# KiCad board LivSynth_Hardware.kicad_pcb (continued)
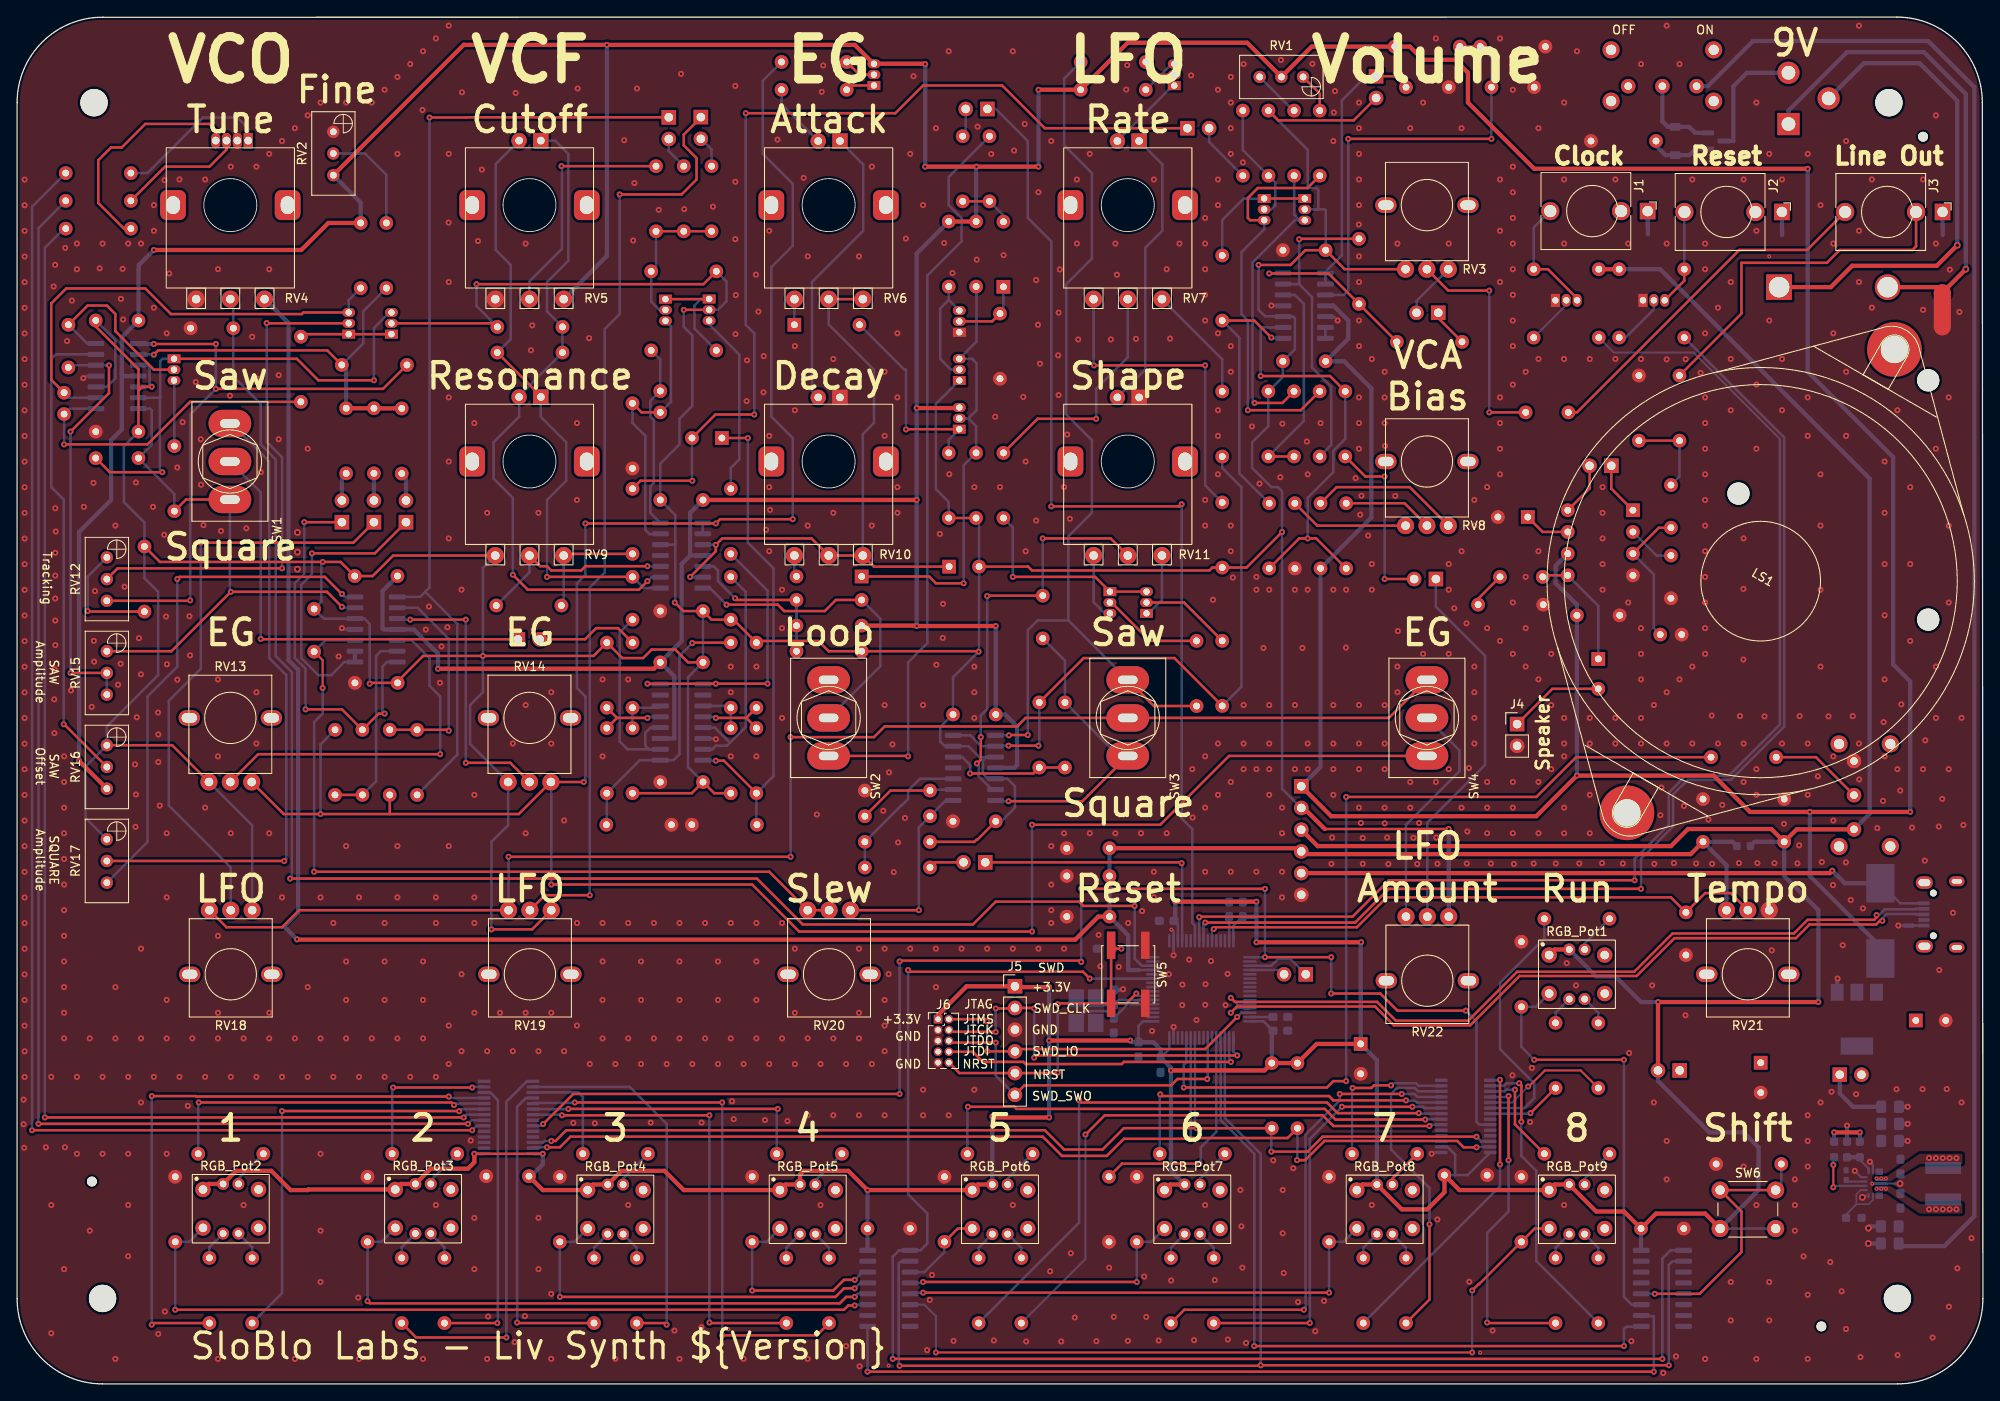
[diagram p0: board, top side]
## Nets (continued)
Net-(Q10-Pad3): Q10.3 Q13.2 R21.2
Net-(Q11-Pad1): Q11.1 Q12.1 R36.1
Net-(Q12-Pad2): Q12.2 RV12.2
Net-(Q14-Pad3): Q14.3 R48.1
Net-(Q16-Pad1): Q16.1 RV11.3
Net-(Q16-Pad2): Q16.2 R62.1
Net-(Q16-Pad3): Q16.3 Q17.1 R50.2
Net-(Q17-Pad2): Q17.2 R63.1
Net-(Q17-Pad3): Q17.3 RV11.1
Net-(R7-Pad1): R7.1 RV1.1
Net-(R9-Pad1): R9.1 RV1.3
Net-(R12-Pad2): R12.2 SW2.1
Net-(R19-Pad1): R19.1 RV5.2
Net-(R22-Pad1): R22.1 RV2.2
Net-(R22-Pad2): R22.2 R37.2 R38.2 R39.2 TH1.1 U2.2
Net-(R26-Pad1): R26.1 R35.1 U1.14
Net-(R26-Pad2): R26.2 R45.2 U1.13
Net-(R28-Pad2): R28.2 R59.2 U1.8
Net-(R42-Pad1): R42.1 R62.2 R72.2 U6.2 U6.14
Net-(R42-Pad2): R42.2 RV7.3
Net-(R44-Pad2): R44.2 R56.2 R59.1 U1.9
Net-(R46-Pad2): R46.2 R47.2 U1.12
Net-(R50-Pad1): R50.1 RV7.2
Net-(R52-Pad1): R52.1 U7.1 U7.16
Net-(R53-Pad2): R53.2 R55.1 RV9.3
Net-(R54-Pad1): R54.1 RV7.1
Net-(R55-Pad2): R55.2 RV9.2 U5.10
Net-(R56-Pad1): R56.1 RV8.2
Net-(R57-Pad2): R57.2 RV8.3
Net-(R58-Pad1): R58.1 RV8.1
Net-(R60-Pad1): R60.1 R64.1 R66.2 U5.5
Net-(R60-Pad2): R60.2 SW2.2 U5.7
Net-(R65-Pad1): R65.1 RV12.1
Net-(R67-Pad1): R67.1 R74.1 U7.4
Net-(R68-Pad1): R68.1 R77.2 R86.2 U7.9
Net-(R68-Pad2): R68.2 R75.2 U7.3
Net-(R69-Pad2): R69.2 R76.2 U7.14
Net-(R70-Pad1): R70.1 R77.1 U7.13
Net-(R71-Pad2): R71.2 R72.1 U6.12
Net-(R78-Pad1): R78.1 R79.2 U4.2
Net-(R80-Pad1): R80.1 R81.2 U4.6
Net-(R82-Pad2): R82.2 R83.1 U6.9
Net-(R83-Pad2): R83.2 RV20.1 U6.8
Net-(R84-Pad2): R84.2 R87.2 U6.10
Net-(R88-Pad1): R88.1 RGB_Pot1.6
Net-(R90-Pad1): R90.1 RGB_Pot1.7
Net-(R91-Pad2): R91.2 RGB_Pot1.8
Net-(R97-Pad1): R97.1 RGB_Pot7.6
Net-(R98-Pad1): R98.1 RGB_Pot6.6
Net-(R99-Pad1): R99.1 RGB_Pot5.6
Net-(R100-Pad1): R100.1 RGB_Pot4.6
Net-(R101-Pad1): R101.1 RGB_Pot9.6
Net-(R102-Pad1): R102.1 RGB_Pot8.6
Net-(R103-Pad1): R103.1 RGB_Pot3.6
Net-(R104-Pad1): R104.1 RGB_Pot2.6
Net-(R115-Pad2): R115.2 U12.1 U12.14
Net-(R116-Pad1): R116.1 RGB_Pot9.7
Net-(R117-Pad2): R117.2 RGB_Pot9.8
Net-(R118-Pad1): R118.1 RGB_Pot8.7
Net-(R119-Pad2): R119.2 RGB_Pot8.8
Net-(R120-Pad1): R120.1 RGB_Pot7.7
Net-(R121-Pad2): R121.2 RGB_Pot7.8
Net-(R122-Pad1): R122.1 RGB_Pot3.7
Net-(R123-Pad2): R123.2 RGB_Pot3.8
Net-(R124-Pad1): R124.1 RGB_Pot2.7
Net-(R125-Pad2): R125.2 RGB_Pot2.8
Net-(R126-Pad1): R126.1 RGB_Pot6.7
Net-(R127-Pad2): R127.2 RGB_Pot6.8
Net-(R128-Pad1): R128.1 RGB_Pot5.7
Net-(R129-Pad2): R129.2 RGB_Pot5.8
Net-(R130-Pad1): R130.1 RGB_Pot4.7
Net-(R131-Pad2): R131.2 RGB_Pot4.8
Net-(RV12-Pad3): RV12.3 TH1.2 U2.1
Net-(RV13-Pad2): RV13.2 U4.5
Net-(RV14-Pad2): RV14.2 U4.3
Net-(RV16-Pad2): RV16.2 U2.13
Net-(RV17-Pad3): RV17.3 U4.14
Net-(RV18-Pad3): RV18.3 RV19.3 SW3.2 SW4.3
Net-(RV22-Pad3): RV22.3 SW4.2
Net-(U1-Pad6): U1.6 U1.7
Net-(U13-Pad10): U13.10 U14.9

Pads without a net: J1 2; J2 2; J6 7; J21 4 6; RGB_Pot1 2 4; RGB_Pot2 2 4; RGB_Pot3 2 4; RGB_Pot4 2 4; RGB_Pot5 2 4; RGB_Pot6 2 4; RGB_Pot7 2 4; RGB_Pot8 2 4; RGB_Pot9 2 4; RV3 4 5; RV4 4 5; RV5 4 5; RV6 4 5; RV7 4 5; RV8 4 5; RV9 4 5; RV10 4 5; RV11 4 5; RV13 4 5; RV14 4 5; RV18 4 5; RV19 4 5; RV20 4 5; RV21 4 5; RV22 4 5; SW2 3; SW7 1; U7 2 15; U9 2 3 4 8 9 10 15 16 17 21 22 26 28 29 30 34 37 38 39 40 41 42 43 54 56 57 61 62; U10 22; U11 22; U13 7; U14 7

## Via types
v1: diameter 0.7, hole 0.3, Top to Bottom, 1306 vias
v2: diameter 0.8, hole 0.4, Top to Bottom, 9 vias
v3: diameter 0.46, hole 0.2, Top to Bottom, 12 vias

## Routing (per net, layer and track width the routed paths; a pad name or vN(x,y) marks a point on that pad's centre or on a via; arc(x,y) is an arc through that point)
+3.3V: length 613.6
  Top w0.3: v1(53.5,26.93) v1(61.5,26.93)
  Top w0.5: v1(210.75,44.68) v1(192,44.68) 191.99,44.66 J24.2 ; RGB_Pot1.5 179.9,50.83 RGB_Pot1.1 ; RGB_Pot2.1 22.4,23.4 RGB_Pot2.5 25.63,24.93 29.75,24.93 32,22.68 34,22.68 34.07,22.75 RGB_Pot3.1 44.9,23.4 RGB_Pot3.5 48.38,25.18 52.75,25.18 53.5,25.93 v1(53.5,26.93) ; SW8.3 208.21,64.89 C32.1 205.25,64.93 195.5,64.93 193.5,62.93 152.17,62.93 J201.3 ; R27.1 R25.1 ; v1(135,36.68) 145.94,36.68 R93.1 R92.1 152.04,39.78 C45.1 ; RGB_Pot6.5 112.4,23.33 RGB_Pot6.1 v1(99.5,22.68) 97.25,24.93 92,24.93 91.6,24.53 RGB_Pot5.5 89.9,23.33 RGB_Pot5.1 78,22.68 75.75,24.93 70.7,24.93 RGB_Pot4.5 67.4,23.33 RGB_Pot4.1 61.51,22.68 C59.1 ; RGB_Pot7.5 134.9,23.33 RGB_Pot7.1 ; v1(145,56.43) v1(135.5,56.43) ; v1(130.25,40.18) v1(120.75,40.18) ; v1(145,51.68) v1(157.25,51.68) ; RGB_Pot8.1 157.4,23.33 RGB_Pot8.5 162,20.43 165,20.43 167,22.43 C58.1 168.75,22.68 RGB_Pot9.1 179.9,23.33 RGB_Pot9.5 184.75,20.18 188,20.18 C61.1 191.75,19.93 197.5,19.93 SW6.2 ; v1(114.1,31.28) 114.2,31.18 v1(120.75,31.18) ; v1(120.75,46.43) 116.85,46.43 J5.1 111.1,46.53 107.75,43.18 J6.1
  Bottom w0.3: SW6.2 SW6.2 ; C51.1 134.81,39.2 U9.64 ; v1(53.5,26.93) 54.61,26.93 U11.1 ; C38.1 142.31,53.58 U9.32 ; 190,15.65 U13.16 ; U10.28 169.71,24.43 168.25,24.43 ; C40.1 135.81,53.73 U9.19 ; U11.28 60.39,26.93 v1(61.5,26.93) ; U10.2 167.36,27.73 168.25,26.84 168.25,24.43 ; 168.25,24.43 C58.1 ; C50.1 131.2,41.88 131.75,42.43 U9.1 ; C48.1 145.84,42.43 U9.48
  Bottom w0.5: v1(120.75,46.43) v1(120.75,40.18) v1(120.75,31.18) ; v1(61.5,26.93) 61.5,25.68 60.12,24.3 C59.1 ; C61.1 190,15.65 ; R93.1 146.8,41.19 C48.1 ; 145,54.93 v1(145,56.43) ; 145,54.93 144.74,54.67 C38.1 ; 145,54.93 v1(145,51.68) ; v1(210.75,44.68) 210.75,55.43 206.75,59.43 C32.1 203.29,63.43 FB1.2 ; RGB_Pot7.5 135,24.93 v1(135,36.68) 135,36.99 C51.1 133.8,39.13 132.94,39.99 C50.1 130.44,39.99 v1(130.25,40.18) ; RGB_Pot6.5 v1(114.1,31.28) ; v1(99.5,22.68) C62.1 99.5,15.65 U14.16 ; SW6.2 203.75,22.68 203.75,27.68 202,29.43 198,29.43 191.99,35.44 J24.2 ; RGB_Pot1.5 184.75,47.68 187,47.68 190,44.68 v1(192,44.68) ; C40.1 135.5,54.32 v1(135.5,56.43) ; R27.1 192.25,130.43 216.75,105.93 216.75,66.72 SW8.3 ; v1(157.25,51.68) 157.2,51.63 C45.1 159.1,37.88 RGB_Pot8.5
+3.3VA: length 275.7
  Top w0.5: v1(32.75,52.02) 32.78,51.99 123.81,51.99 126.5,54.68 C41.1 ; C36.1 149.88,62.68 J201.4 150.57,61.99 195.81,61.99 C33.1
  Bottom w0.3: U9.13 131.25,48.43
  Bottom w0.5: C36.1 C37.1 C41.1 130,52.49 130,48.43 131.25,48.43 ; RV21.3 200,60.68 C33.1 200.71,63.43 FB1.1 ; v1(32.75,52.02) 31.25,53.52 32.89,55.16 32.89,83.54 31.75,84.68 31.75,124.13 RV4.3
+9V: length 819.5
  Top w0.3: v1(106.25,154.43) 106.21,154.47
  Top w0.5: v1(106.25,142.43) v1(112.25,142.43) v1(119.5,142.43) ; RV2.3 52.25,156.68 v1(69,156.68) 98,156.68 100.21,154.47 Q2.3 106.21,154.47 ; v1(209.5,142.18) 177.5,142.18 169.75,149.93 169.75,153.43 168.25,154.93 164.5,154.93 162.95,156.48 R2.1 151.47,156.48 RV1.2 143.92,156.93 129.94,156.93 R5.1 v1(119.5,151.43) ; R23.1 36.41,135.84 33.25,132.68 v1(16,132.68) ; v1(7.23,72.91) RV16.3 ; v1(105.25,114.18) 110.17,114.18 Q15.3 ; R66.1 105.2,88.73 v1(105.25,88.68) v1(114.5,88.68) ; v1(49.25,83.68) 74.5,83.68 C27.1 ; v1(105.25,103.43) C16.1 ; v1(221.5,66.93) v1(209.75,66.93) 202.75,66.93 198.5,71.18 v1(182.5,71.18) 177.75,66.43 153.75,66.43 J201.1 ; R20.1 R21.1
  Bottom w0.5: v1(221.5,66.93) 221.5,82.18 219.5,84.18 219.5,108.43 209.5,118.43 v1(209.5,142.18) ; R20.1 112.2,142.38 v1(112.25,142.43) ; U7.11 76.9,75.52 76.9,82.78 C27.1 77.75,86.93 77.75,95.93 78.75,96.93 ; v1(106.25,142.43) v1(106.25,154.43) ; U5.4 78.75,96.93 ; 78.75,96.93 78.75,101.93 C16.1 ; RV5.3 69,131.98 v1(69,156.68) ; v1(119.5,151.43) v1(119.5,142.43) ; R23.1 40.2,138.23 RV2.3 ; J201.1 152.5,72.18 R57.1 158.45,101.37 158.45,116.48 155.28,119.65 C7.1 155.75,122.3 155.75,124.43 154,126.18 ; v1(114.5,88.68) C31.1 115.6,78.33 117,76.93 117,72.43 116.65,72.08 U6.4 ; D12.1 218,51.18 209.75,59.43 v1(209.75,66.93) ; v1(49.25,83.68) 49.25,85.43 46.4,88.28 U4.4 42.9,88.28 42.75,88.43 42.75,92.78 C18.1 ; v1(7.23,72.91) 7.25,72.93 7.25,99.68 11,103.43 11,110.43 12.25,111.68 12.25,118.18 ; v1(182.5,71.18) C24.1 182.5,91.18 180,93.68 180,95.72 U3.6 ; U2.4 12.5,117.93 12.25,118.18 ; R21.1 105.25,132.26 v1(105.25,114.18) v1(105.25,88.68) ; 12.25,118.18 12.25,122.48 C4.1 14.2,130.38 14.25,130.43 14.25,130.93 v1(16,132.68)
/Power/Vin: length 179.3
  Bottom w0.5: 223.6,157.13 203.1,157.13 197.82,151.85 SW7.3 ; 223.7,157.03 229,151.73 229,19.63 225.5,16.13 220.44,16.13 C64.1
GND: length 33.2
  Bottom w0.2: U12.15 216.1,22.03 v2(215.9,21.83)
  Bottom w0.25: 217.2,23.43 U12.10 v2(220.3,23.43) ; v1(216.78,26.01) 217.12,25.66 U12.6 ; U12.4 215.75,24.18 v1(215,24.93)
  Bottom w0.3: U10.1 165.65,27.08 v1(165.5,26.93) ; U9.12 v1(134.75,47.93) ; v1(135.31,50.15) U9.18 135.31,52.92 135.15,53.08 ; U7.6 81.66,75.52 v1(81.75,75.43) ; v1(154.5,124.43) 154.04,124.88 U1.5 ; U4.11 38.15,88.28 v1(38,88.43) ; v1(7.75,117.68) 8,117.93 9.22,117.93 ; NT5.1 v1(220.1,53.63) ; U9.63 v1(135.31,41.77) ; v1(146.75,126.18) 146.78,126.15 U1.11
  Bottom w0.5: R95.2 v1(214.1,30.23) ; C64.2 v2(216.6,16.43) ; v2(216.6,18.23) 216.8,18.43 C63.2 ; v1(129.4,46.18) 129.31,46.09 C44.2 ; v1(213,47.43) 212.95,47.38 U8.1 ; C54.2 v1(221.2,30.43) ; C55.2 v1(221.2,28.43) ; C53.2 v1(221.2,32.43)
  vias: v1(0.76,33.26) v1(0.76,30.39) v1(0.84,27.63) v1(0.88,140.92) v1(0.88,137.92) v1(0.88,134.92) v1(0.88,131.92) v1(0.88,128.92) v1(0.88,125.92) v1(0.88,122.92) v1(0.88,119.92) v1(0.88,116.92) v1(0.88,113.92) v1(0.88,110.92) v1(0.88,107.92) v1(0.88,104.92) v1(0.88,101.92) v1(0.88,98.92) v1(0.88,95.92) v1(0.88,92.92) v1(0.88,89.92) v1(0.88,86.92) v1(0.88,83.92) v1(0.88,80.92) v1(0.88,77.92) v1(0.88,74.92) v1(0.88,71.92) v1(0.88,68.92) v1(0.88,65.92) v1(0.88,62.92) v1(0.88,59.92) v1(0.88,56.92) v1(0.88,53.92) v1(0.88,50.92) v1(0.88,47.92) v1(0.88,44.92) v1(0.88,41.92) v1(0.88,38.92) v1(0.88,35.92) v1(3.36,27.68) v1(4,35.93) v1(4,20.93) v1(4,5.93) v1(4.27,128.4) v1(4.35,80.1) v1(4.41,83.6) v1(4.36,76.15) v1(4.45,130.95) v1(4.47,102.46) v1(4.52,99.74) v1(4.47,97.25) v1(4.47,94.58) v1(4.47,91.9) v1(4.47,89.32) v1(4.47,86.45) v1(5.5,73.43) v1(5.5,70.43) v1(5.5,67.43) v1(5.5,64.43) v1(5.5,61.43) v1(5.5,58.43) v1(5.5,55.43) v1(5.5,52.43) v1(5.5,49.43) v1(5.5,46.43) v1(5.5,43.43) v1(5.5,40.43) v1(5.5,13.43) v1(5.63,132.93) v1(5.59,27.68) v1(5.85,122.02) v1(6.31,81.14) v1(6.41,126.76) v1(7,133.43) v1(7,130.43) v1(7,35.93) v1(7,26.93) v1(7.81,102.62) v1(8.5,40.43) v1(8.5,17.93) v1(8.73,79.21) v1(8.94,105.42) v1(8.98,86.95) v1(9.02,84.51) v1(9.1,92.76) v1(9.66,130.53) v1(10,133.43) v1(10,35.93) v1(10,26.93) v1(11.5,100.43) v1(11.5,46.43) v1(11.5,40.43) v1(11.5,2.93) v1(11.81,81.81) v1(12.14,126.96) v1(12.11,84.27) v1(12.35,130.47) v1(12.4,124.55) v1(12.57,93.28) v1(13,133.43) v1(13,35.93) v1(13,26.93) v1(13,20.93) v1(13,14.93) v1(13.79,72.49) v1(13.85,65.18) v1(13.9,105.48) v1(13.91,68.97) v1(14,78) v1(14.26,87.26) v1(14.5,133.43) v1(14.48,83.03) v1(14.5,50.93) v1(14.5,40.43) v1(14.5,32.93) v1(15.91,102.62) v1(16,137.93) v1(16,134.93) v1(16,125.93) v1(16,35.93) v1(16.49,78.56) v1(16.53,75.99) v1(16.53,72.77) v1(16.53,5.85) v1(16.69,67.67) v1(17.24,140.85) v1(17.22,99.36) v1(17.29,8.47) v1(17.43,89.79) v1(17.5,122.93) v1(17.53,84.21) v1(17.5,64.43) v1(17.5,56.93) v1(17.5,44.93) v1(17.5,40.43) v1(17.5,26.93) v1(17.8,129.93) v1(18.75,107.23) v1(18.75,82.4) v1(19,140.93) v1(19,35.93) v1(19.37,112.53) v1(19.98,32.53) v1(20.17,89.82) v1(20.24,85.25) v1(20.5,40.43) v1(20.9,117.23) v1(21.49,110.52) v1(21.52,105.22) v1(21.81,100.48) v1(22,140.93) v1(22,67.43) v1(22,35.93) v1(23.5,130.43) v1(23.5,82.43) v1(23.5,73.43) v1(23.5,52.43) v1(23.5,43.43) v1(23.5,40.43) v1(23.5,2.93) v1(23.85,99.81) v1(24.9,115.63) v1(25,142.43) v1(25,64.43) v1(25,35.93) v1(26.5,40.43) v1(26.5,20.93) v1(26.83,100.11) v1(27.5,122.53) v1(28,142.43) v1(28,80.93) v1(28,74.93) v1(28,35.93) v1(28.1,117.63) v1(28.5,106.68) v1(29.5,143.93) v1(29.5,130.43) v1(29.5,64.43) v1(29.5,43.43) v1(29.5,40.43) v1(30.6,118.03) v1(30.6,110.53) v1(31,145.43) v1(31,56.93) v1(31,35.93) v1(32.5,146.93) v1(32.5,40.43) v1(32.5,2.93) v1(34,148.43) v1(34,109.43) v1(34,46.43) v1(34,35.93) v1(35.5,149.93) v1(35.5,56.93) v1(35.5,40.43) v1(35.5,26.93) v1(35.5,17.93) v1(35.5,11.93) v1(37,53.93) v1(37,35.93) v1(37.62,85.11) v1(38.5,149.93) v1(38.5,62.93) v1(38.5,49.43) v1(38.5,44.93) v1(38.5,40.43) v1(39.91,10.1) v1(40,56.93) v1(40,35.93) v1(40,2.93) v1(41.5,149.93) v1(41.5,40.43) v1(43,151.43) v1(43,53.93) v1(43,49.43) v1(43,44.93) v1(43,35.93) v1(44.5,152.93) v1(44.5,143.93) v1(44.5,62.93) v1(44.5,56.93) v1(44.5,40.43) v1(46,154.43) v1(46,35.93) v1(47.43,149.05) v1(47.5,155.93) v1(47.5,49.43) v1(47.5,44.93) v1(47.5,40.43) v1(47.5,2.93) v1(47.81,88.26) v1(48.19,90.96) v1(49,157.43) v1(49,56.93) v1(49,53.93) v1(49,35.93) v1(49,20.93) v1(49.47,82.04) v1(49.66,86.29) v1(50.35,88.53) v1(50.5,158.93) v1(50.5,143.93) v1(50.49,135.88) v1(50.5,128.93) v1(50.5,115.43) v1(50.5,107.93) v1(50.5,98.93) v1(50.5,62.93) v1(50.5,41.93) v1(50.5,37.43) v1(52,92.93) v1(52,47.93) v1(52,38.93) v1(52.05,151.13) v1(53.07,28.49) v1(53.5,112.43) v1(53.5,68.93) v1(53.5,56.93) v1(53.5,53.93) v1(53.5,43.43) v1(53.5,19.43) v1(53.5,13.43) v1(53.92,133.72) v1(54.37,142.08) v1(55,101.93) v1(55,38.93) v1(55,2.93) v1(55.11,7.89) v1(56.5,43.43) v1(58,74.93) v1(58,38.93) v1(58.21,4.88) v1(58.33,151.05) v1(59.41,7.93) v1(59.5,133.43) v1(59.5,79.43) v1(59.5,64.43) v1(59.5,43.43) v1(60.12,120.94) v1(60.27,123.85) v1(61,101.93) v1(61,38.93) v1(61,19.43) v1(61,13.43) v1(62.5,80.93) v1(62.5,74.93) v1(62.5,43.43) v1(62.49,10.54) v1(62.5,2.93) v1(64,65.93) v1(64,38.93) v1(65.08,30.54) v1(65.5,112.43) v1(65.5,103.43) v1(65.5,53.93) v1(65.5,41.93) v1(65.58,151.57) v1(66.92,122.36) v1(67,37.43) v1(67.59,30.49) v1(68.5,82.43) v1(68.5,73.43) v1(68.5,53.93) v1(68.5,49.43) v1(68.5,44.93) v1(68.5,40.43) v1(70,37.43) v1(70,2.93) v1(71.03,145.52) v1(71.5,82.43) v1(71.5,53.93) v1(71.5,40.43) v1(71.5,20.93) v1(72.08,133.79) v1(72.23,140.52) v1(72.53,151.57) v1(73,49.43) v1(73,44.93) v1(73,37.43) v1(74.14,30.57) v1(74.5,53.93) v1(74.5,40.43) v1(75.07,137.38) v1(76,37.43) v1(76.91,6.24) v1(77.5,53.93) v1(77.5,49.43) v1(77.5,44.93) v1(77.5,40.43) v1(77.5,2.93) v1(77.68,153.29) v1(78.06,137.45) v1(79,37.43) v1(80.08,30.57) v1(80.06,6.64) v1(80.5,53.93) v1(80.5,40.43) v1(81.42,137.75) v1(82,49.43) v1(82,44.93) v1(82,37.43) v1(83.5,83.93) v1(83.5,80.93) v1(83.5,73.43) v1(83.5,53.93) v1(83.5,40.43) v1(83.65,33.07) v1(83.83,30.98) v1(84.03,151.87) v1(84.03,140.67) v1(84.03,133.94) v1(84.09,127.39) v1(84.05,122.84) v1(85,37.43) v1(85,2.93) v1(85.4,119.77) v1(85.35,115) v1(86.45,129.79) v1(86.5,83.93) v1(86.5,73.43) v1(86.5,53.93) v1(86.5,49.43) v1(86.5,44.93) v1(86.5,40.43) v1(86.74,125.47) v1(87.33,116.02) v1(87.35,120.27) v1(87.49,30.87) v1(87.64,99.95) v1(88,134.93) v1(88,110.93) v1(88,104.93) v1(88,97.43) v1(88,37.43) v1(88.09,102.27) v1(88.97,145.6) v1(89.5,92.93) v1(89.5,88.43) v1(89.5,77.93) v1(89.5,53.93) v1(89.5,40.43) v1(90.14,30.75) v1(91,121.43) v1(91,113.93) v1(91,50.93) v1(91,43.43) v1(91,37.43) v1(92.03,141.11) v1(92.5,131.93) v1(92.5,100.43) v1(92.5,40.43) v1(92.5,31.43) v1(92.5,2.93) v1(93.57,66.63) v1(94,37.43) v1(94,20.93) v1(94.15,151.18) v1(94.32,154.27) v1(95.5,119.93) v1(95.5,101.93) v1(95.5,40.43) v1(95.5,31.43) v1(97,37.43) v1(97,4.43) v1(98.5,131.93) v1(98.5,50.93) v1(98.5,43.43) v1(98.5,40.43) v1(98.5,31.43) v1(98.57,2.06) v1(100,142.43) v1(100,100.43) v1(100,37.43) v1(101.34,67.06) v1(101.5,118.43) v1(101.5,110.93) v1(101.5,79.43) v1(101.5,50.93) v1(101.5,44.93) v1(101.5,41.93) v1(101.5,38.93) v1(101.5,31.43) v1(102.02,71.55) v1(101.97,47.95) v1(102.42,74.82) v1(102.57,59.88) v1(103,122.93) v1(103,115.43) v1(103,104.93) v1(103,101.93) v1(103.07,63.36) v1(103.88,66.22) v1(103.98,134.02) v1(104.5,143.93) v1(104.5,50.93) v1(104.88,153.01) v1(106,137.93) v1(106,79.43) v1(106,34.43) v1(106,31.43) v1(106.47,3.95) v1(106.78,9.83) v1(107.04,12.75) v1(107.5,146.93) v1(107.5,50.93) v1(107.5,46.43) v1(107.55,84.15) v1(107.96,99.45) v1(108.33,91.27) v1(108.3,87.28) v1(108.47,133.49) v1(109,155.93) v1(109,31.43) v1(109.06,106.44) v1(109.44,129.98) v1(109.56,5.04) v1(110.5,50.93) v1(112,104.93) v1(112,83.93) v1(112,80.93) v1(112,77.93) v1(112,34.43) v1(112.28,131.55) v1(112.38,147.11) v1(113.5,50.93) v1(113.98,143.91) v1(114.28,5.08) v1(114.44,113.17) v1(115,104.93) v1(115.42,132.07) v1(116.5,155.93) v1(116.5,50.93) v1(116.5,20.93) v1(116.65,144.31) v1(117.73,115.49) v1(117.89,147.43) v1(118,107.93) v1(118,97.43) v1(118.06,4.97) v1(119.23,129.16) v1(119.22,101.03) v1(119.5,139.43) v1(119.45,123.93) v1(119.5,50.93) v1(119.67,119.37) v1(120.86,13.18) v1(121,145.43) v1(121,62.93) v1(121,58.43) v1(121,55.43) v1(121,53.93) v1(121.81,120.34) v1(121.86,125.35) v1(121.86,115.69) v1(122,130.4) v1(122.17,4.97) v1(122.5,104.93) v1(122.5,64.43) v1(122.5,50.93) v1(122.86,111.08) v1(123.17,101.23) v1(123.28,15.29) v1(123.74,7.77) v1(124,140.93) v1(124,133.43) v1(124.16,122.21) v1(125.5,143.93) v1(125.5,64.43) v1(126.28,5) v1(126.54,52.54) v1(126.75,48.87) v1(127.77,13.6) v1(127.97,122.21) v1(128.31,7.84) v1(128.5,133.43) v1(128.5,64.43) v1(128.68,129.78) v1(128.9,48.8) v1(129.77,151.45) v1(129.89,154.3) v1(130,53.93) v1(129.96,5.04) v1(130.91,122.28) v1(131.5,64.43) v1(131.63,55.33) v1(131.88,12.56) v1(132.11,7.84) v1(132.79,41.28) v1(133,140.93) v1(133,59.93) v1(133,56.93) v1(133.57,5.08) v1(134.5,130.43) v1(134.5,64.43) v1(134.9,122.31) v1(135.03,12.1) v1(136,133.43) v1(136.35,46.72) v1(136.33,44.33) v1(137.13,49.65) v1(137.36,153.1) v1(137.5,71.93) v1(137.53,66.27) v1(137.71,5.12) v1(137.99,42.58) v1(139,136.43) v1(139,133.43) v1(139,130.43) v1(139,127.43) v1(139,124.43) v1(139,103.43) v1(139,100.43) v1(139,73.43) v1(139,67.43) v1(139,59.93) v1(139.04,46.77) v1(139.01,44.36) v1(139,20.93) v1(139.68,49.48) v1(139.92,91.75) v1(140.13,12.14) v1(140.5,151.43) v1(140.5,140.93) v1(140.5,137.93) v1(140.5,122.93) v1(140.5,113.93) v1(140.5,110.93) v1(140.5,106.43) v1(140.5,74.93) v1(140.5,68.93) v1(141.39,44.33) v1(141.63,47.98) v1(141.66,5.2) v1(142,152.93) v1(142,149.93) v1(142,146.93) v1(142,143.93) v1(142,121.43) v1(142,118.43) v1(142,100.43) v1(142,97.43) v1(142,70.43) v1(142,59.93) v1(142.25,94.35) v1(143.13,22.69) v1(143.24,18.44) v1(143.42,142.93) v1(143.36,13.6) v1(143.5,154.43) v1(143.5,79.43) v1(143.5,74.93) v1(143.5,71.93) v1(143.8,4.8) v1(144.48,112.03) v1(145,94.43) v1(145,92.93) v1(145,71.93) v1(145,59.93) v1(145.36,105.34) v1(145.82,86.11) v1(146.5,92.93) v1(146.5,79.43) v1(146.5,74.93) v1(146.5,71.93) v1(146.5,68.93) v1(146.97,26.16) v1(147.8,106.09) v1(147.87,154.91) v1(148.04,112.35) v1(148,67.43) v1(148,64.43) v1(148,59.93) v1(148,56.93) v1(148.08,22.69) v1(148.08,17.62) v1(148.19,12.96) v1(149.32,25.24) v1(149.5,92.93) v1(149.5,79.43) v1(149.5,71.93) v1(149.88,9.58) v1(150.39,86.11) v1(150.9,110.26) v1(151,106.43) v1(151,92.93) v1(151,74.93) v1(151,71.93) v1(151.56,154.47) v1(151.89,6.16) v1(152.5,112.43) v1(152.92,9.71) v1(153.22,153.29) v1(153.77,60.86) v1(153.85,63.93) v1(154,145.43) v1(154,92.93) v1(154,79.43) v1(154,74.93) v1(154,71.93) v1(154,68.93) v1(154.06,148.77) v1(154.19,151.27) v1(155.5,92.93) v1(155.47,86.15) v1(156.6,105.98) v1(157,149.93) v1(157,146.93) v1(157,143.93) v1(157,140.93) v1(157,137.93) v1(156.99,135.66) v1(157,131.93) v1(157,128.93) v1(157,124.43) v1(157,121.43) v1(157,115.43) v1(157,112.43) v1(157,109.43) v1(157,79.43) v1(157,74.93) v1(157,71.93) v1(157,67.43) v1(157.14,101.71) v1(157.22,65.63) v1(157.29,103.92) v1(157.44,63.89) v1(157.44,60.86) v1(158.08,99.27) v1(158.5,119.93) v1(158.5,95.93) v1(158.5,92.93) v1(158.5,20.93) v1(160,118.43) v1(160,115.43) v1(160,112.43) v1(160,79.43) v1(160,74.93) v1(160,71.93) v1(160,67.43) v1(160.01,65.59) v1(160.05,109.76) v1(160.3,63.93) v1(160.44,60.83) v1(161.24,103.9) v1(161.5,133.43) v1(161.54,88.09) v1(161.5,83.93) v1(161.5,80.93) v1(163,146.93) v1(163,70.43) v1(163,67.43) v1(163.37,63.91) v1(163.82,60.83) v1(164.04,65.63) v1(164.5,149.93) v1(164.5,85.43) v1(166,157.43) v1(166,152.93) v1(166,70.43) v1(166.05,63.93) v1(166.18,60.86) v1(166.18,19.24) v1(167.5,133.43) v1(167.5,95.93) v1(167.5,92.93) v1(167.5,85.43) v1(167.5,71.93) v1(168.15,90.76) v1(169,146.93) v1(169,97.43) v1(169,67.43) v1(169.58,88.99) v1(169.61,60.89) v1(169.68,64.64) v1(169.86,72.06) v1(169.91,11.96) v1(170.5,103.43) v1(170.5,100.43) v1(170.5,83.93) v1(170.5,80.93) v1(170.5,77.93) v1(170.5,74.93) v1(172,104.93) v1(172,88.43) v1(172,70.43) v1(172,67.43) v1(172,64.43) v1(172.44,60.89) v1(172.63,6.25) v1(173.5,157.43) v1(173.5,140.93) v1(173.5,134.93) v1(173.5,128.93) v1(173.5,115.43) v1(173.5,112.43) v1(173.5,109.43) v1(173.5,106.43) v1(173.5,86.93) v1(174.95,36.11) v1(175,151.43) v1(175,142.43) v1(175,139.43) v1(175,136.43) v1(175,133.43) v1(175,130.43) v1(175,127.43) v1(175,124.43) v1(175,121.43) v1(175,116.93) v1(175,91.43) v1(175,85.43) v1(175,70.43) v1(175,67.43) v1(175,64.43) v1(175.12,60.84) v1(176.5,155.93) v1(176.5,118.43) v1(176.5,94.43) v1(176.5,88.43) v1(176.5,83.93) v1(177.03,30.64) v1(177.23,36.98) v1(177.44,60.89) v1(178,146.93) v1(178,119.93) v1(178,97.43) v1(178,82.43) v1(178,70.43) v1(178,64.43) v1(179.5,85.43) v1(179.5,79.43) v1(179.5,71.93) v1(180.02,60.89) v1(181,149.93) v1(181,140.93) v1(181,133.43) v1(181,119.93) v1(181,77.93) v1(181,74.93) v1(181,73.43) v1(181,67.43) v1(181,64.43) v1(181,20.93) v1(181.3,49.23) v1(182.4,46.63) v1(182.5,155.93) v1(182.78,60.89) v1(184,119.93) v1(184,77.93) v1(184,74.93) v1(184,68.93) v1(184,64.43) v1(185.44,60.94) v1(185.5,104.93) v1(185.5,101.93) v1(185.5,98.93) v1(185.5,95.93) v1(185.5,92.93) v1(187,140.93) v1(187,119.93) v1(187,77.93) v1(187,74.93) v1(187.88,60.89) v1(188.5,133.43) v1(188.5,91.43) v1(188.61,38.72) v1(188.87,5) v1(190,154.43) v1(190,119.93) v1(190,88.43) v1(190,85.43) v1(190,82.43) v1(190,77.93) v1(190,74.93) v1(191.3,46.63) v1(191.5,79.43) v1(191.5,32.93) v1(191.56,60.86) v1(192.27,66.55) v1(192.39,69.78) v1(192.6,1.29) v1(193,158.93) v1(193,133.43) v1(193,119.88) v1(193,80.93) v1(193,74.93) v1(193,28.43) v1(193,23.93) v1(193.84,60.94) v1(194.09,3.22) v1(194.5,154.43) v1(194.5,82.43) v1(195.02,67.63) v1(195.23,119.89) v1(195.2,43.13) v1(196,140.93) v1(196,83.93) v1(196,74.93) v1(196.45,60.9) v1(196.97,118.3) v1(197.5,133.43) v1(197.5,130.43) v1(197.5,122.93) v1(197.5,115.43) v1(197.5,112.43) v1(197.5,109.43) v1(197.5,106.43) v1(197.5,103.43) v1(197.5,100.43) v1(197.5,97.43) v1(197.5,94.43) v1(197.5,91.43) v1(197.5,88.43) v1(197.5,85.43) v1(197.5,2.93) v1(197.88,66.04) v1(198.27,78.21) v1(198.32,60.86) v1(199,125.93) v1(199,74.93) v1(199.51,67.75) v1(200.5,128.93) v1(200.5,119.93) v1(200.5,113.93) v1(200.5,11.93) v1(200.5,7.43) v1(201.46,60.94) v1(201.57,78.14) v1(202,140.93) v1(202,98.93) v1(201.98,93.03) v1(201.98,84.76) v1(202,74.93) v1(202,70.43) v1(202,25.43) v1(203.5,149.93) v1(203.5,134.93) v1(203.5,116.93) v1(203.5,109.43) v1(203.5,71.93) v1(203.5,68.93) v1(203.5,20.93) v1(203.5,2.93) v1(203.62,60.94) v1(204.45,78.11) v1(205,143.93) v1(205,124.43) v1(205,11.93) v1(205,7.43) v1(205.3,50.73) v1(205.61,60.94) v1(206.5,140.93) v1(206.5,119.93) v1(206.5,113.93) v1(206.5,74.93) v1(206.73,65.54) v1(208,23.93) v1(208,20.93) v1(208,17.93) v1(208.3,60.9) v1(208.51,63.02) v1(208.56,78.14) v1(209.01,14.92) v1(209.5,143.93) v1(209.5,115.43) v1(209.5,110.93) v1(209.5,74.93) v1(209.5,68.93) v1(209.5,31.43) v1(209.5,28.43) v1(209.5,25.43) v1(209.5,10.43) v1(209.5,2.93) v1(210.68,71.09) v1(211,137.93) v1(211,106.43) v1(211,100.43) v1(211,92.93) v1(211,83.93) v1(211,32.93) v1(211.15,61.06) v1(211.93,78.11) v1(212.14,14.26) v1(212.29,34.18) v1(212.5,133.43) v1(212.5,122.93) v1(212.5,73.43) v1(212.5,65.93) v1(212.46,58.37) v1(213.47,10.83) v1(213.6,51.33) v1(214,145.43) v1(214,118.43) v1(214,110.93) v1(213.96,61.02) v1(213.98,6.42) v1(214.54,56.62) v1(214.77,78.14) v1(215.16,33.9) v1(215.5,158.93) v1(215.5,134.93) v1(215.5,128.93) v1(215.5,74.93) v1(215.54,70.72) v1(215.68,3.14) v1(215.96,55.64) v1(217,140.93) v1(217,125.93) v1(217.64,65.04) v1(218.31,68.22) v1(218.38,77.44) v1(218.5,107.93) v1(218.5,101.93) v1(218.5,95.93) v1(218.5,89.93) v1(218.5,82.43) v1(218.5,73.43) v1(219.89,34.48) v1(220,113.93) v1(220,71.93) v1(220.02,3.36) v1(220.33,69.43) v1(220.45,79.51) v1(221.5,104.93) v1(221.5,95.93) v1(221.5,86.93) v1(221.71,65.1) v1(222.93,34.49) v1(223,140.93) v1(223,125.68) v1(223,71.93) v1(223.2,61.23) v1(223.26,75.3) v1(224.1,5.42) v1(224.5,148.43) v1(224.5,133.43) v1(224.5,109.43) v1(224.5,83.93) v1(224.5,77.93) v1(224.83,65.22) v1(224.9,48.43) v1(225.25,68.46) v1(225.77,34.49) v1(226,115.43) v1(226,100.43) v1(226,91.43) v1(226,71.93) v1(226.02,9.03) v1(226.13,130.38) v1(226.5,55.13) v1(227.01,13.52) v1(227.25,125.43) v1(227.5,77.93) v1(227.5,32.93) v1(227.72,65.39) v1(228.67,17.06) v2(32.8,99.63) v2(32.8,97.33) v2(32.8,95.33) v3(83.22,6.4) v3(101.97,2.14) v3(135.06,53.16) v3(171.18,3.66) v3(205,131.93) v3(217.05,23.43)
